# Allegro board 1156197-TDI_VU3P_QSFP28_CXP_V001_1023A-166-20241121_1644_PCB.brd (continued)
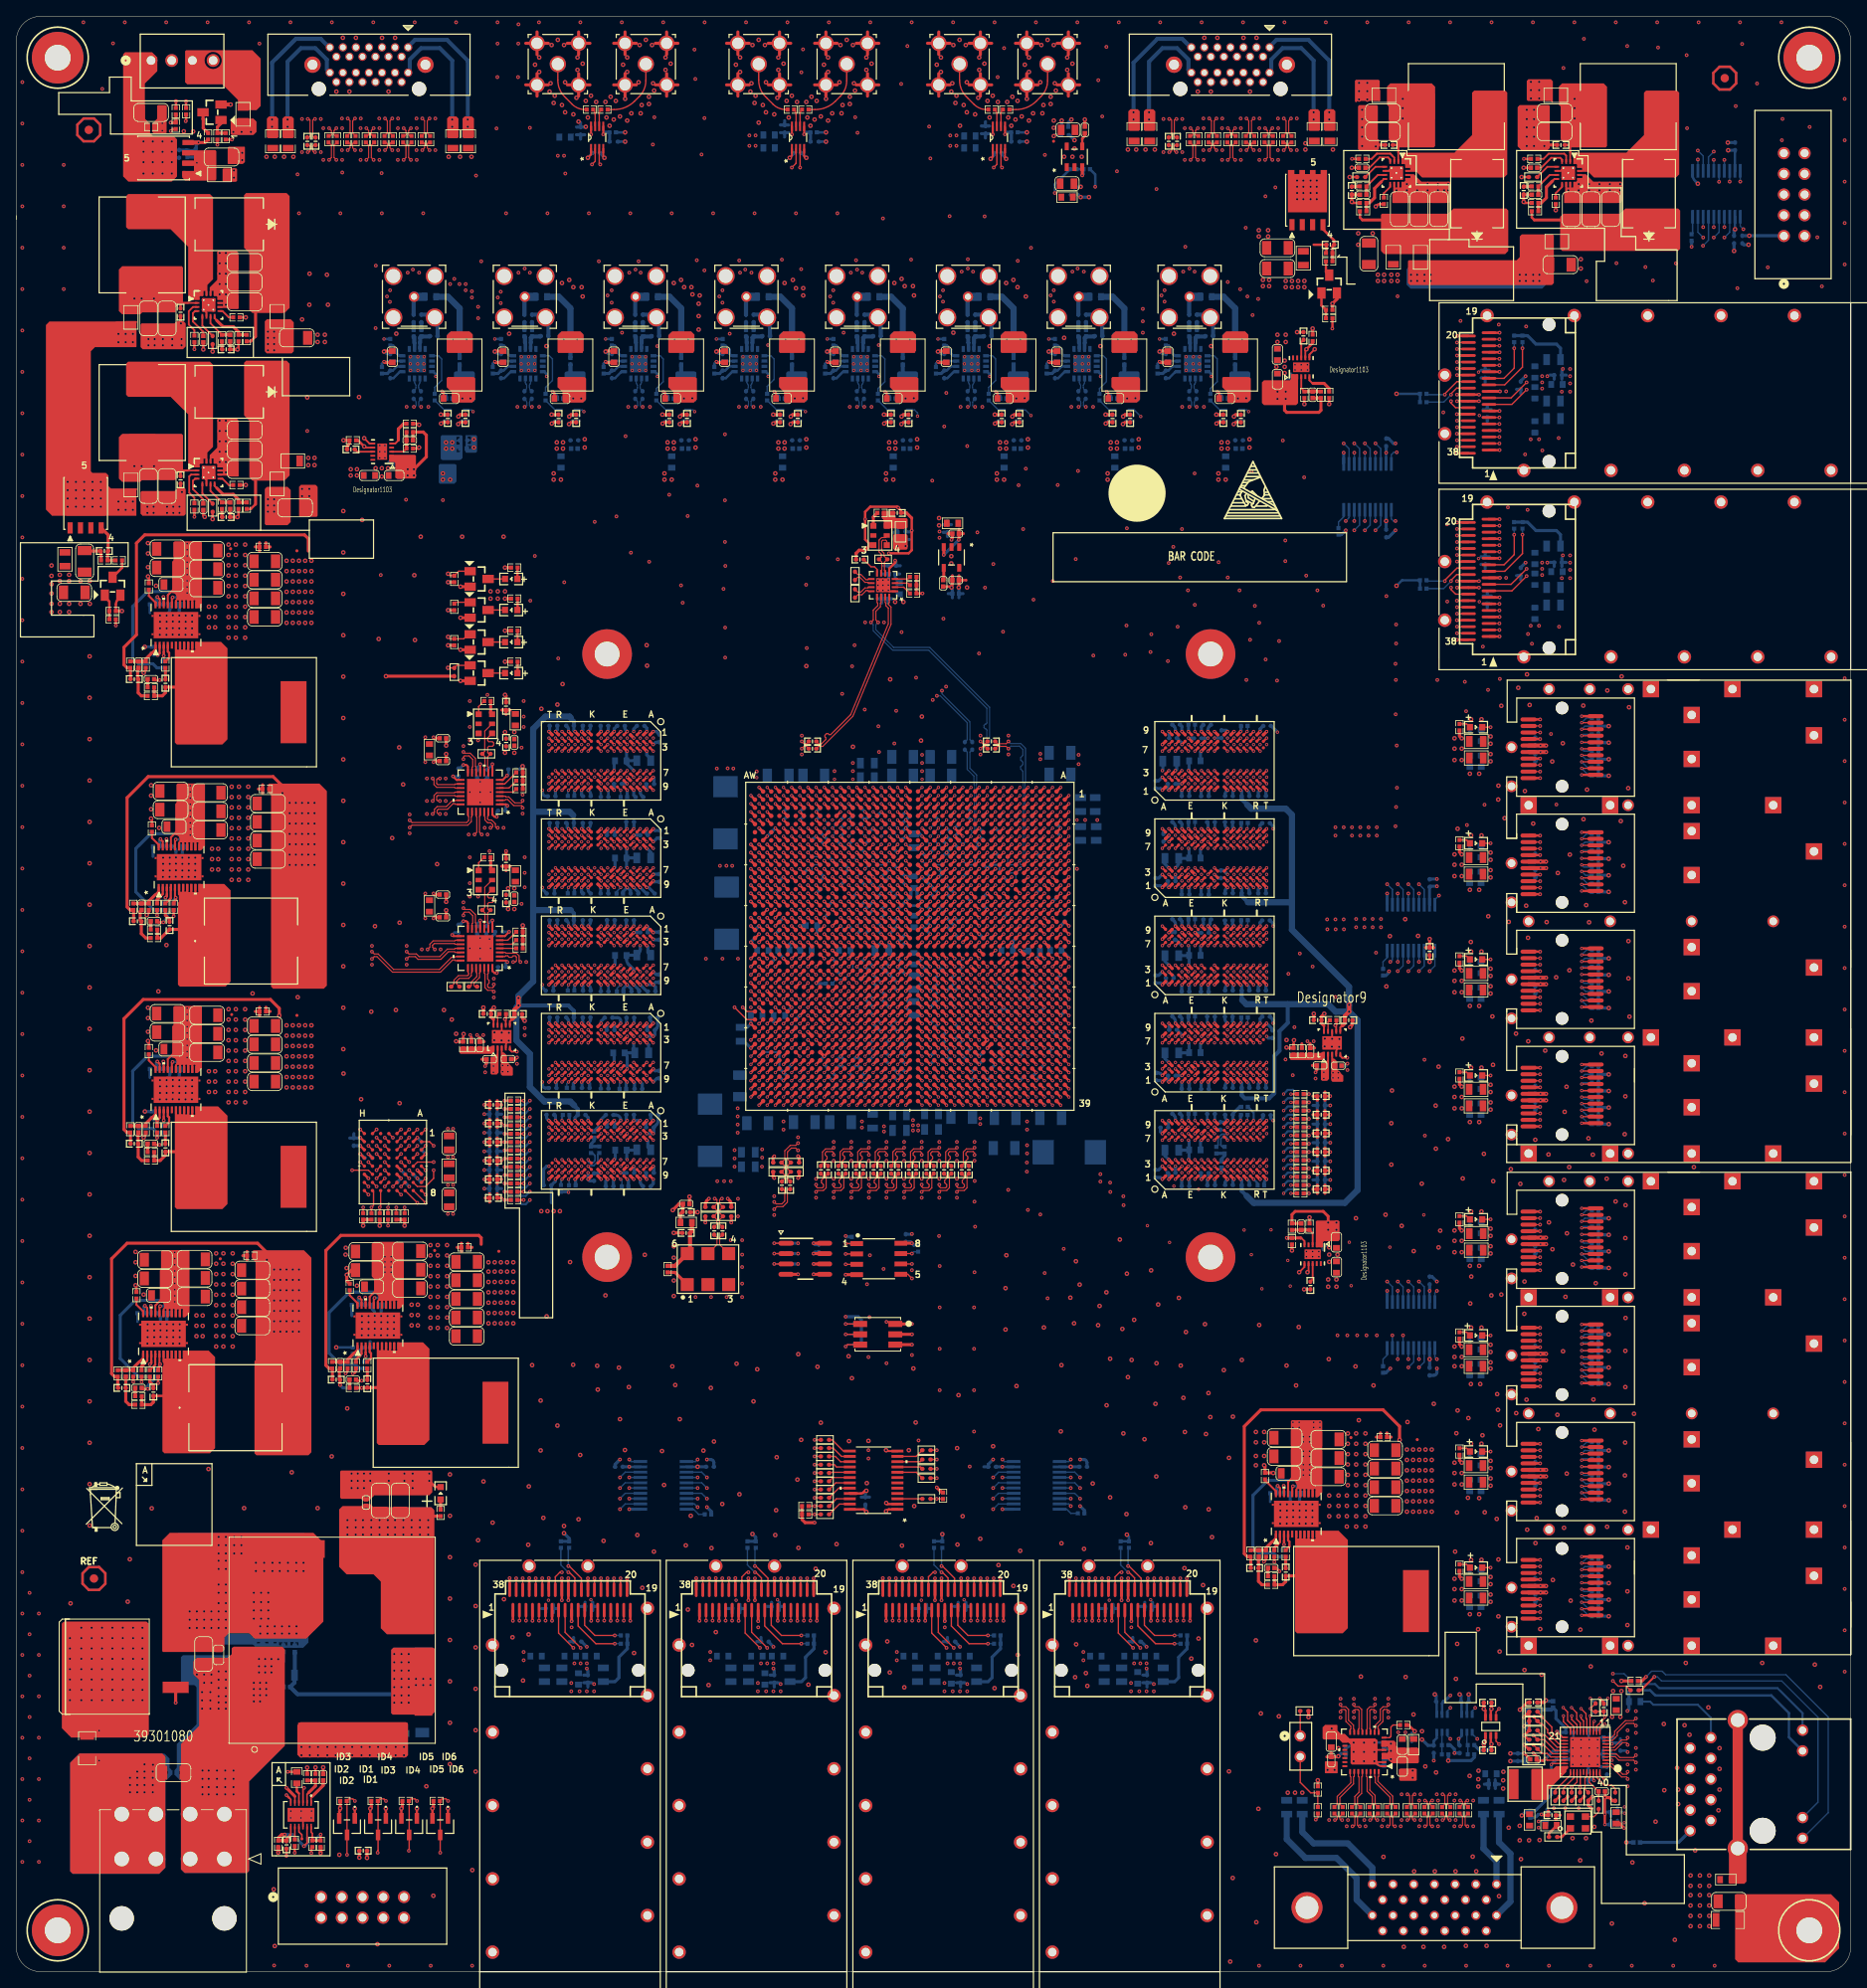
[diagram p0: board, top side]
## Routing (per net, layer and track width the routed paths; a pad name or vN(x,y) marks a point on that pad's centre or on a via; arc(x,y) is an arc through that point) (continued)
v2(41.78,84.2) v2(41.88,61.14) v2(41.88,60.25) v2(41.88,59.36) v2(42.04,193.27) v2(42.29,107.09) v2(42.34,27.58) v2(42.34,26.57) v2(42.42,178.18) v2(42.39,80.47) v2(42.39,79.71) v2(42.39,78.9) v2(42.37,78.11) v2(42.65,61.14) v2(42.65,60.25) v2(42.65,59.36) v2(43.2,80.47) v2(43.2,79.71) v2(43.2,78.9) v2(43.18,78.11) v2(43.41,61.14) v2(43.41,60.25) v2(43.36,27.58) v2(43.36,26.57) v2(43.54,117.83) v2(43.94,78.14) v2(43.99,128.32) v2(43.97,79.74) v2(43.97,78.92) v2(44.07,184.53) v2(44.3,3.38) v2(44.37,27.58) v2(44.37,26.57) v2(44.45,163.58) v2(44.73,78.11) v2(44.83,184.53) v2(44.83,183.51) v2(44.75,79.71) v2(44.75,78.9) v2(44.86,237.36) v2(45.39,27.58) v2(45.39,26.57) v2(45.54,80.47) v2(45.54,79.71) v2(45.54,78.9) v2(45.52,78.11) v2(45.59,184.53) v2(45.66,230.76) v2(45.69,61.14) v2(45.69,60.25) v2(46.1,139.14) v2(46.33,80.47) v2(46.33,79.71) v2(46.33,78.9) v2(46.3,78.11) v2(46.46,237.36) v2(46.53,27.58) v2(46.53,26.57) v2(46.61,201.04) v2(46.56,118.03) v2(46.96,150.27) v2(47.02,128.75) v2(47.02,106.6) v2(47.45,145.72) v2(47.55,27.58) v2(47.55,26.57) v2(47.6,61.14) v2(47.6,60.25) v2(48.49,81.86) v2(48.49,80.59) v2(48.49,79.32) v2(48.62,61.14) v2(48.62,60.25) v2(48.62,59.36) v2(48.82,171.4) v2(48.9,163.45) v2(49.25,81.86) v2(49.25,80.59) v2(49.25,79.32) v2(49.61,176.12) v2(50.29,22.76) v2(50.65,61.14) v2(50.8,89.18) v2(50.8,87.91) v2(50.8,86.64) v2(50.8,85.37) v2(50.8,84.1) v2(50.8,82.83) v2(50.8,81.56) v2(50.8,80.29) v2(50.8,79.02) v2(51.16,9.32) v2(51.61,135.94) v2(51.69,89.18) v2(51.69,87.91) v2(51.69,86.64) v2(51.69,85.37) v2(51.69,84.1) v2(51.69,82.83) v2(51.69,81.56) v2(51.69,80.29) v2(51.69,79.02) v2(52.45,118.03) v2(52.83,89.18) v2(52.83,87.91) v2(52.83,86.64) v2(52.83,85.37) v2(52.83,84.1) v2(52.83,82.83) v2(52.83,81.56) v2(52.83,80.29) v2(52.83,79.02) v2(53.04,222.76) v2(53.19,61.04) v2(53.19,55.96) v2(53.19,50.88) v2(53.19,45.8) v2(53.19,40.72) v2(53.19,35.64) v2(53.19,30.56) v2(53.19,25.48) v2(53.42,116.87) v2(54.43,222.76) v2(54.69,176.12) v2(55.83,222.76) v2(55.93,12.47) v2(56.13,188.09) v2(56.13,187.07) v2(56.34,49.96) v2(56.34,44.88) v2(56.34,39.8) v2(56.34,34.72) v2(56.34,29.64) v2(56.34,24.56) v2(56.64,52.96) v2(57.3,60.17) v2(58.42,55.12) v2(58.65,115.29) v2(58.62,114.33) v2(59.51,114.3) v2(59.77,176.12) v2(59.82,45.72) v2(59.94,149.61) v2(60.33,130.43) v2(60.43,115.24) v2(60.45,201.04) v2(60.86,41.05) v2(61.09,149.61) v2(61.09,130.43) v2(62.15,35.74) v2(62.79,52.4) v2(62.84,41.4) v2(62.87,59.56) v2(63.27,74.45) v2(63.63,234.06) v2(64.14,234.95) v2(64.14,233.17) v2(64.31,70.1) v2(64.31,63.98) v2(64.64,55.7) v2(65.02,199.52) v2(65.05,80.44) v2(65.41,230.76) v2(65.53,231.78) v2(65.66,236.47) v2(65.91,229.36) v2(66.04,230.25) v2(66.42,237.11) v2(66.37,67.03) v2(66.93,229.11) v2(66.93,207.26) v2(67.01,158.04) v2(67.18,236.47) v2(67.31,231.9) v2(67.31,228.22) v2(67.82,207.65) v2(67.92,87.1) v2(68.33,227.97) v2(68.33,206.76) v2(68.3,74.5) v2(68.71,230) v2(68.83,234.95) v2(68.83,233.43) v2(68.96,227.08) v2(68.96,55.52) v2(69.16,63.42) v2(69.34,206.76) v2(69.47,234.19) v2(69.47,205.61) v2(69.72,188.09) v2(69.72,187.07) v2(69.85,229.62) v2(70.1,227.58) v2(70.48,230.25) v2(71.12,229.49) v2(71.25,74.37) v2(71.32,71.45) v2(72.03,52.88) v2(72.26,229.49) v2(72.26,83.01) v2(72.39,227.58) v2(72.77,226.57) v2(72.9,230.12) v2(73.28,227.33) v2(73.53,229.62) v2(73.91,74.14) v2(74.04,227.71) v2(74.04,67.82) v2(74.42,234.06) v2(74.68,229.87) v2(74.65,64.03) v2(74.93,234.95) v2(74.93,233.17) v2(74.93,227.2) v2(75.13,71.75) v2(75.44,228.09) v2(75.77,39.12) v2(76.17,53.59) v2(76.33,231.9) v2(76.45,236.47) v2(76.58,228.09) v2(76.71,229.11) v2(76.78,47.12) v2(77.09,87.99) v2(77.22,237.11) v2(77.32,162.81) v2(77.37,160.3) v2(77.6,230.12) v2(77.6,229.24) v2(77.98,236.47) v2(78.11,231.78) v2(78.23,230.89) v2(78.21,51.56) v2(79.2,63.91) v2(79.45,59.74) v2(79.63,234.95) v2(79.63,233.43) v2(80.26,234.19) v2(80.47,74.3) v2(80.64,207.26) v2(80.64,89.03) v2(80.64,87.63) v2(80.64,84.84) v2(80.64,82.93) v2(80.82,72.01) v2(81.38,67.82) v2(81.53,207.65) v2(81.92,206.76) v2(82.12,52.32) v2(82.37,44.45) v2(82.73,55.96) v2(82.8,206.76) v2(82.93,205.87) v2(82.88,40.11) v2(83.31,188.09) v2(83.31,187.07) v2(83.69,204.72) v2(83.69,203.2) v2(83.69,201.55) v2(83.82,205.74) v2(84.28,63.96) v2(84.91,35.18) v2(85.19,71.65) v2(85.27,51.99) v2(85.57,65.07) v2(85.8,41.68) v2(86.59,57.4) v2(88.27,234.06) v2(88.34,74.63) v2(88.7,58.6) v2(88.77,234.95) v2(88.77,233.17) v2(90.04,230.76) v2(90.17,231.78) v2(90.3,236.47) v2(90.42,70) v2(90.55,229.36) v2(90.68,230.25) v2(90.88,73.94) v2(91.06,237.11) v2(91.06,226.95) v2(91.57,229.11) v2(91.82,236.47) v2(91.95,231.9) v2(91.95,228.22) v2(92.96,227.97) v2(93.09,53.59) v2(93.19,56.64) v2(93.34,230) v2(93.27,63.14) v2(93.47,234.95) v2(93.47,233.43) v2(94.11,234.19) v2(94.23,207.26) v2(94.49,229.62) v2(94.74,227.58) v2(95.12,230.25) v2(95.25,207.65) v2(95.63,206.63) v2(95.76,229.49) v2(95.81,60.4) v2(95.91,75.79) v2(95.94,52.02) v2(96.27,65.28) v2(96.52,206.63) v2(96.52,205.74) v2(96.9,229.49) v2(96.9,188.09) v2(96.9,187.07) v2(96.9,160.25) v2(97.03,227.58) v2(97.16,35.23) v2(97.41,226.57) v2(97.54,230.12) v2(97.92,227.33) v2(98.04,49.45) v2(98.17,229.62) v2(98.27,74.24) v2(98.68,227.71) v2(98.68,67.39) v2(99.06,234.06) v2(99.31,229.87) v2(99.26,39.22) v2(99.57,234.95) v2(99.57,233.17) v2(99.57,227.2) v2(100.08,228.09) v2(100.61,52.48) v2(100.97,231.9) v2(101.09,236.47) v2(101.22,228.09) v2(101.35,229.11) v2(101.85,237.11) v2(102.08,75.54) v2(102.13,65.13) v2(102.23,230.12) v2(102.23,229.24) v2(102.49,72.85) v2(102.62,236.47) v2(102.62,150.34) v2(102.74,231.78) v2(102.87,230.89) v2(104.27,234.95) v2(104.27,233.43) v2(104.32,59.97) v2(104.52,65.15) v2(104.9,234.19) v2(106.83,40.54) v2(107.14,36.73) v2(107.19,158.62) v2(107.7,207.26) v2(108.58,207.77) v2(108.64,52.3) v2(108.92,34.9) v2(108.97,206.88) v2(109.47,64.01) v2(109.98,206.88) v2(110.03,74.04) v2(110.11,205.74) v2(110.13,57.15) v2(110.31,67.41) v2(110.49,188.09) v2(110.49,187.07) v2(110.97,151.1) v2(111.07,154.05) v2(112.9,234.06) v2(113.41,234.95) v2(113.41,233.17) v2(114.68,230.76) v2(114.68,173.74) v2(114.68,172.85) v2(114.81,231.78) v2(114.94,236.47) v2(114.94,201.17) v2(115.19,229.36) v2(115.32,230.25) v2(115.39,64.26) v2(115.44,52.43) v2(115.57,70.76) v2(115.7,237.11) v2(115.75,226.57) v2(116.08,55.91) v2(116.2,229.11) v2(116.46,236.47) v2(116.59,231.9) v2(116.59,228.22) v2(117.6,227.97) v2(117.98,230) v2(118.11,234.95) v2(118.11,233.43) v2(118.24,53.14) v2(118.75,234.19) v2(119.13,229.62) v2(119.38,227.58) v2(119.38,199.52) v2(119.76,230.25) v2(119.81,64.49) v2(119.99,34.8) v2(120.4,229.49) v2(120.47,49.91) v2(121.34,83.9) v2(121.34,78.82) v2(121.41,207.26) v2(121.44,87.93) v2(121.54,229.49) v2(121.67,227.58) v2(122.05,226.57) v2(122.17,230.12) v2(122.3,207.65) v2(122.3,47.35) v2(122.56,227.33) v2(122.68,71.88) v2(122.81,229.62) v2(122.81,206.76) v2(122.83,38.89) v2(123.14,51.66) v2(123.32,227.71) v2(123.7,234.06) v2(123.83,205.61) v2(123.95,229.87) v2(124.08,188.09) v2(124.08,187.07) v2(124.21,234.95) v2(124.21,233.17) v2(124.21,227.2) v2(124.71,228.09) v2(125.6,231.9) v2(125.73,236.47) v2(125.86,228.09) v2(125.98,229.11) v2(126.03,79.07) v2(126.49,237.11) v2(126.87,230.12) v2(126.87,229.24) v2(127.25,236.47) v2(127.38,231.78) v2(127.51,230.89) v2(128.12,66.32) v2(128.19,74.45) v2(128.19,52.58) v2(128.52,222.76) v2(128.52,200.53) v2(128.91,234.95) v2(128.91,233.43) v2(129.29,82.73) v2(129.54,234.19) v2(129.54,222.76) v2(129.74,79.58) v2(129.79,223.77) v2(129.87,36.14) v2(129.97,87.2) v2(130,40.18) v2(130.43,84.33) v2(130.68,222.76) v2(130.96,51.89) v2(131.19,36.65) v2(131.37,35.08) v2(132.03,59.92) v2(132.69,79.35) v2(132.87,81.71) v2(132.97,199.52) v2(133.71,83.39) v2(133.73,69.52) v2(134.16,75.23) v2(134.16,58.22) v2(135.36,89.87) v2(135.66,78.89) v2(135.79,66.07) v2(136.22,85.67) v2(136.17,56.16) v2(136.35,223.65) v2(136.35,72.97) v2(136.8,75.08) v2(137.11,80.01) v2(137.36,223.65) v2(137.67,188.09) v2(137.67,187.07) v2(138.38,65.35) v2(138.51,223.65) v2(139.19,86.08) v2(139.17,52.6) v2(139.65,223.65) v2(139.73,69.7) v2(139.83,60.78) v2(139.85,74.68) v2(140.06,81.89) v2(141.99,201.04) v2(142.6,82.7) v2(142.82,74.4) v2(143.15,70.43) v2(143.33,66.24) v2(143.28,49.53) v2(143.38,57) v2(143.46,78.51) v2(144.12,38.43) v2(144.92,230.76) v2(145.01,40.89) v2(145.57,47.45) v2(145.72,237.36) v2(145.8,79.48) v2(145.92,65.99) v2(146.23,71.02) v2(146.25,56.74) v2(146.52,230.76) v2(146.46,68.07) v2(146.56,199.52) v2(146.66,53.34) v2(147.32,237.36) v2(148.11,73.84) v2(148.74,63.07) v2(148.74,24.59) v2(148.89,1.24) v2(149.22,68.12) v2(149.2,11.51) v2(150.32,75.08) v2(150.52,237.36) v2(151.32,230.76) v2(151.26,188.09) v2(151.26,187.07) v2(152.04,66.25) v2(152.04,64.98) v2(152.04,63.3) v2(152.04,62.16) v2(152.04,40.67) v2(152.12,237.36) v2(152.1,6.07) v2(152.35,19.99) v2(152.4,213.74) v2(152.4,212.98) v2(152.45,79.38) v2(152.65,31.7) v2(152.91,207.65) v2(152.91,206.88) v2(153.06,66.25) v2(153.06,64.98) v2(153.06,63.3) v2(153.54,213.74) v2(153.54,212.98) v2(153.67,207.65) v2(153.67,206.88) v2(154.51,14.43) v2(154.56,196.98) v2(154.86,31.34) v2(155.04,57.36) v2(155.04,56.6) v2(155.04,55.78) v2(155.02,55) v2(155.57,197.74) v2(155.57,196.98) v2(155.57,196.22) v2(155.8,74.4) v2(155.83,55) v2(155.85,57.36) v2(155.85,56.6) v2(155.85,55.78) v2(155.96,21.97) v2(156.62,56.62) v2(156.62,55.81) v2(156.59,55.02) v2(156.84,21.97) v2(156.97,71.96) v2(157.3,79.12) v2(157.4,56.6) v2(157.4,55.78) v2(157.38,55) v2(157.73,21.97) v2(158.12,224.41) v2(158.12,223.65) v2(158.19,57.36) v2(158.19,56.6) v2(158.19,55.78) v2(158.17,55) v2(158.98,57.36) v2(158.98,56.6) v2(158.98,55.78) v2(158.95,55) v2(160.5,114.53) v2(160.48,113.56) v2(160.83,24.77) v2(161.04,88.9) v2(161.04,88.01) v2(161.04,87.12) v2(160.99,75.18) v2(161.04,58.45) v2(161.04,57.18) v2(161.04,55.91) v2(161.34,29.84) v2(161.37,113.54) v2(161.49,223.65) v2(161.7,24.77) v2(162.05,88.01) v2(162.18,58.45) v2(162.18,57.18) v2(162.18,55.91) v2(162.28,114.48) v2(163.19,58.45) v2(163.19,57.18) v2(163.19,55.91) v2(163.19,54.64) v2(163.32,66.07) v2(163.32,64.8) v2(163.32,63.53) v2(163.32,62.26) v2(163.32,60.99) v2(163.32,59.72) v2(164.03,26.97) v2(164.03,25.83) v2(164.31,92.48) v2(164.26,74.3) v2(164.34,66.07) v2(164.34,64.8) v2(164.34,63.53) v2(164.34,62.26) v2(164.34,60.99) v2(164.34,59.72) v2(164.34,58.45) v2(164.34,57.18) v2(164.34,55.91) v2(164.34,54.64) v2(164.59,213.36) v2(164.59,211.96) v2(164.67,67.69) v2(164.92,36.22) v2(165.07,228.52) v2(165.07,227.38) v2(165.07,226.36) v2(165.07,225.22) v2(165.07,224.08) v2(165.3,28.12) v2(165.3,26.97) v2(165.3,25.83) v2(165.48,66.07) v2(165.48,64.8) v2(165.48,63.53) v2(165.48,62.26) v2(165.48,60.99) v2(165.48,59.72) v2(165.48,58.45) v2(165.48,57.18) v2(165.48,55.91) v2(165.48,54.64) v2(166.37,213.36) v2(166.47,71.96) v2(167.69,14.1) v2(167.94,92.91) v2(168.05,120.93) v2(168.48,127.1) v2(168.73,108.15) v2(168.66,104.14) v2(168.66,99.06) v2(169.29,218.64) v2(169.93,91.54) v2(170.18,3.05) v2(170.36,129.18) v2(170.41,36.17) v2(170.56,219.41) v2(170.56,218.64) v2(170.64,67.46) v2(171.27,24.69) v2(171.27,23.8) v2(171.4,88.44) v2(171.37,31.57) v2(171.45,12.32) v2(171.83,219.41) v2(171.83,218.64) v2(171.93,127.13) v2(172.39,96.72) v2(172.59,3.05) v2(172.82,25.2) v2(173.1,219.41) v2(173.1,218.64) v2(173.86,69.7) v2(173.99,12.32) v2(174.09,106.3) v2(174.12,101.02) v2(174.14,24.46) v2(174.37,219.41) v2(174.37,218.64) v2(174.45,111.07) v2(174.45,88.9) v2(174.65,90.96) v2(175.13,218.64) v2(175.13,3.05) v2(175.64,219.41) v2(175.64,218.64) v2(175.62,102.18) v2(176.48,51.56) v2(176.53,12.32) v2(176.63,66.09) v2(176.58,35.94) v2(176.71,56.36) v2(176.73,40.23) v2(176.78,140.28) v2(176.78,68.88) v2(177.37,114.53) v2(177.42,97.36) v2(177.8,3.17) v2(178.1,67.94) v2(178.05,58.17) v2(178.29,147.04) v2(178.29,132.79) v2(178.29,118.53) v2(178.29,104.29) v2(178.29,86.63) v2(178.33,82.02) v2(178.29,43.88) v2(178.26,24.03) v2(178.44,153.72) v2(178.44,139.47) v2(178.41,126.39) v2(178.44,125.22) v2(178.44,110.97) v2(178.44,93.31) v2(178.44,79.06) v2(178.42,72.13) v2(178.44,64.81) v2(178.44,50.56) v2(178.46,85.32) v2(178.64,14.12) v2(179.07,12.32) v2(179.3,42.04) v2(179.32,23.62) v2(179.32,22.73) v2(179.43,147.04) v2(179.43,132.79) v2(179.43,118.53) v2(179.43,104.29) v2(179.43,86.63) v2(179.43,58.13) v2(179.43,43.88) v2(179.35,24.67) v2(179.56,72.13) v2(179.71,153.72) v2(179.71,139.47) v2(179.71,125.22) v2(179.71,110.97) v2(179.71,93.31) v2(179.71,79.06) v2(179.71,64.81) v2(179.71,50.56) v2(179.83,65.84) v2(180.01,100.38) v2(180.11,56.39) v2(180.34,3.17) v2(180.54,129.54) v2(180.92,83.01) v2(181.05,117.25) v2(181.13,111.3) v2(181.15,97.03) v2(181.64,70.89) v2(181.58,55.58) v2(181.74,68.96) v2(181.79,145.57) v2(181.76,143.87) v2(181.79,50.6) v2(181.79,43.61) v2(181.94,39.29) v2(181.86,9.27) v2(181.99,67.06) v2(182.14,155.37) v2(182.14,83.11) v2(182.55,141.58) v2(183.06,128.85) v2(183.06,17.68) v2(183.31,98.5) v2(183.95,115.14) v2(183.97,68.55) v2(184.23,157.58) v2(184.4,17.91) v2(184.4,16.13) v2(184.48,96.7) v2(184.56,13.82) v2(185.04,144.91) v2(184.99,84.71) v2(184.96,80.75) v2(184.99,37.03) v2(185.19,130.84) v2(185.24,70.21) v2(185.27,228.52) v2(185.27,227.38) v2(185.27,226.36) v2(185.27,225.22) v2(185.27,224.08) v2(185.29,159.23) v2(185.32,54.25) v2(185.42,126.9) v2(185.45,114.2) v2(185.55,16.13) v2(185.62,155.47) v2(186.06,140.92) v2(186.16,228.52) v2(186.16,227.38) v2(186.16,226.36) v2(186.16,225.22) v2(186.16,224.08) v2(186.31,102.11) v2(186.33,52.6) v2(186.49,55.68) v2(186.69,66.6) v2(186.84,16.16) v2(186.92,42.06) v2(187.1,36.45) v2(187.53,113.06) v2(187.71,128.83) v2(187.93,100.3) v2(187.99,91.97) v2(188.39,148.54) v2(188.42,88.67) v2(188.47,48.08) v2(188.87,122.05) v2(189.03,68.35) v2(189.08,134.85) v2(189.69,150.77) v2(189.71,76.15) v2(189.84,97.18) v2(189.84,54.48) v2(189.92,105.54) v2(190.02,82.83) v2(190.14,108.61) v2(190.2,90.63) v2(190.17,61.14) v2(190.37,218.64) v2(190.5,122.91) v2(190.47,98.76) v2(190.55,137.11) v2(190.65,45.54) v2(190.93,86.79) v2(190.88,16.38) v2(191.64,219.41) v2(191.64,218.64) v2(191.85,41.99) v2(191.82,13.67) v2(191.9,210.19) v2(191.9,209.04) v2(192.2,155.4) v2(192.23,141.45) v2(192.53,16.38) v2(192.56,130.91) v2(192.66,145.08) v2(192.84,102.29) v2(192.91,219.41) v2(192.91,218.64) v2(192.91,128.8) v2(193.12,37.47) v2(193.19,116.74) v2(193.37,100.28) v2(193.45,70.23) v2(193.55,17.78) v2(193.57,66.52) v2(193.73,84.51) v2(194.18,219.41) v2(194.18,218.64) v2(194.44,112.7) v2(195.15,157.25) v2(195.07,97.33) v2(195.12,54.61) v2(195.45,219.41) v2(195.45,218.64) v2(195.71,5.92) v2(196.16,94.54) v2(196.72,219.41) v2(196.72,218.64) v2(196.8,141.22) v2(196.9,158.98) v2(197.1,135.74) v2(197.31,131.27) v2(197.28,102.79) v2(197.33,64.95) v2(197.31,60.91) v2(197.31,56.46) v2(197.36,112.39) v2(197.36,107.44) v2(197.38,94.08) v2(197.36,90.04) v2(197.36,85.6) v2(197.38,80.24) v2(197.36,76.2) v2(197.36,71.75) v2(197.61,52.07) v2(197.61,46.69) v2(197.61,42.55) v2(197.71,145.26) v2(197.74,126.49) v2(197.74,121.92) v2(197.82,155.19) v2(197.87,117.22) v2(198.22,13.41) v2(198.42,68.48) v2(199.72,8.41) v2(201.07,18.41) v2(202.08,30.4) v2(202.13,22.28) v2(203.43,3.91) v2(203.71,25.02) v2(203.84,22.35) v2(203.84,20.57) v2(204.62,30.25) v2(204.77,37.9) v2(205.23,29.08) v2(205.36,11.81) v2(205.36,10.54) v2(205.36,9.4) v2(205.36,8.13) v2(205.36,6.86) v2(205.36,5.59) v2(205.77,98.76) v2(205.92,14.88) v2(206.5,11.81) v2(206.5,10.54) v2(206.5,9.4) v2(206.5,8.13) v2(206.5,6.86) v2(206.5,5.59) v2(207.54,32.44) v2(207.65,11.81) v2(207.65,10.54) v2(207.65,9.4) v2(207.65,8.13) v2(207.65,6.86) v2(207.65,5.59) v2(208.79,19.81) v2(208.91,27.43) v2(208.91,24.89) v2(208.91,22.35) v2(214.15,37.9) v2(220.6,37.69) v2(221.26,34.95) v3(44.58,187.32) v3(44.58,186.56) v3(44.58,185.8) v3(45.21,187.32) v3(45.21,186.56) v3(45.21,185.8) v3(48.34,197.34) v3(48.37,198.2) v3(48.37,196.55) v3(49.23,197.34) v3(49.25,198.2) v3(49.25,196.55) v3(50.02,198.2) v3(49.99,197.34) v3(50.02,196.55) v3(61.93,197.34) v3(61.95,198.2) v3(61.95,196.55) v3(62.84,198.2) v3(62.82,197.34) v3(62.84,196.55) v3(63.61,198.2) v3(63.58,197.34) v3(63.61,196.55) v3(65.33,150.62) v3(65.33,146.62) v3(65.33,138.68) v3(65.33,134.68) v3(65.33,126.74) v3(65.33,122.74) v3(65.33,114.8) v3(65.33,110.8) v3(65.33,102.86) v3(65.28,45.59) v3(66.13,150.62) v3(66.13,146.62) v3(66.13,138.68) v3(66.13,134.68) v3(66.13,126.74) v3(66.13,122.74) v3(66.13,114.8) v3(66.13,110.8) v3(66.13,102.86) v3(66.13,98.86) v3(66.93,150.62) v3(66.93,146.62) v3(66.93,138.68) v3(66.93,134.68) v3(66.93,126.74) v3(66.93,122.74) v3(66.93,114.8) v3(66.93,110.8) v3(66.93,102.86) v3(66.93,98.86) v3(67.73,150.62) v3(67.73,146.62) v3(67.73,138.68) v3(67.73,134.68) v3(67.73,126.74) v3(67.73,122.74) v3(67.73,114.8) v3(67.73,110.8) v3(67.73,102.86) v3(67.73,98.86) v3(68.53,150.62) v3(68.53,146.62) v3(68.53,138.68) v3(68.53,134.68) v3(68.53,126.74) v3(68.53,122.74) v3(68.53,114.8) v3(68.53,110.8) v3(68.53,102.86) v3(68.53,98.86) v3(69.33,150.62) v3(69.33,146.62) v3(69.33,138.68) v3(69.33,134.68) v3(69.33,126.74) v3(69.33,122.74) v3(69.33,114.8) v3(69.33,110.8) v3(69.33,102.86) v3(69.33,98.86) v3(70.13,150.62) v3(70.13,145.82) v3(70.13,138.68) v3(70.13,133.88) v3(70.13,126.74) v3(70.13,121.94) v3(70.13,114.8) v3(70.13,110) v3(70.13,102.86) v3(70.48,45.64) v3(70.93,147.42) v3(70.93,146.62) v3(70.93,135.48) v3(70.93,134.68) v3(70.93,123.54) v3(70.93,122.74) v3(70.93,111.6) v3(70.93,110.8) v3(71.73,151.42) v3(71.73,147.42) v3(71.73,137.88) v3(71.73,121.94) v3(71.73,115.6) v3(71.73,110) v3(72.53,149.82) v3(72.53,145.82) v3(72.53,135.48) v3(72.53,133.88) v3(72.53,122.74) v3(72.53,110) v3(72.53,102.06) v3(72.53,99.66) v3(72.53,98.06) v3(73.33,151.42) v3(73.33,133.88) v3(73.33,127.54) v3(73.33,126.74) v3(73.33,121.94) v3(73.33,110) v3(74.13,151.42) v3(74.13,139.48) v3(74.13,127.54) v3(74.13,115.6) v3(74.13,99.66) v3(74.93,151.42) v3(74.93,139.48) v3(74.93,133.88) v3(74.93,103.66) v3(75.54,198.2) v3(75.52,197.34) v3(75.54,196.55) v3(75.73,145.82) v3(75.73,135.48) v3(75.73,126.74) v3(76.43,198.2) v3(76.41,197.34) v3(76.43,196.55) v3(76.53,151.42) v3(76.53,145.82) v3(76.53,137.88) v3(76.53,115.6) v3(76.53,114.8) v3(76.53,103.66) v3(76.53,102.86) v3(76.53,102.06) v3(76.53,98.86) v3(77.19,198.2) v3(77.17,197.34) v3(77.19,196.55) v3(77.33,151.42) v3(77.33,134.68) v3(77.33,133.88) v3(77.33,122.74) v3(77.33,121.94) v3(78.13,151.42) v3(78.13,121.94) v3(88.29,45.59) v3(89.13,198.2) v3(89.11,197.34) v3(89.13,196.55) v3(90.02,198.2) v3(90,197.34) v3(90.02,196.55) v3(90.78,198.2) v3(90.76,197.34) v3(90.78,196.55) v3(93.36,45.64) v3(100.1,141.36) v3(102.72,198.2) v3(102.7,197.34) v3(102.72,196.55) v3(103.61,198.2) v3(103.59,197.34) v3(103.61,196.55) v3(104.35,197.34) v3(104.37,198.2) v3(104.37,196.55) v3(105.69,170.8) v3(105.69,170.17) v3(105.69,169.53) v3(106.3,170.8) v3(106.3,170.17) v3(106.3,169.53) v3(106.96,170.83) v3(106.96,170.19) v3(111.01,45.59) v3(116.25,45.64) v3(116.31,198.2) v3(116.29,197.34) v3(116.31,196.55) v3(117.2,198.2) v3(117.17,197.34) v3(117.2,196.55) v3(117.94,197.34) v3(117.96,198.2) v3(117.96,196.55) v3(129.9,198.2) v3(129.87,197.34) v3(129.9,196.55) v3(130.79,198.2) v3(130.76,197.34) v3(130.79,196.55) v3(131.53,197.34) v3(131.55,198.2) v3(131.55,196.55) v3(134.06,45.59) v3(138.73,91.57) v3(139.14,45.64) v3(140.56,111.6) v3(141.36,102.86) v3(141.45,89.51) v3(141.99,96.42) v3(142.17,139.48) v3(142.17,111.6) v3(142.97,149.82) v3(142.97,137.88) v3(142.97,133.88) v3(142.97,123.54) v3(142.97,122.74) v3(142.97,111.6) v3(142.97,102.06) v3(142.97,98.06) v3(143.49,198.2) v3(143.46,197.34) v3(143.49,196.55) v3(143.77,145.82) v3(143.77,110) v3(144.38,198.2) v3(144.35,197.34) v3(144.38,196.55) v3(144.57,145.82) v3(144.57,114.8) v3(144.57,98.06) v3(145.01,96.04) v3(145.14,198.2) v3(145.11,197.34) v3(145.14,196.55) v3(145.37,146.62) v3(145.37,139.48) v3(145.37,134.68) v3(145.37,122.74) v3(145.37,115.6) v3(146.16,146.62) v3(146.16,137.88) v3(146.16,115.6) v3(146.16,103.66) v3(146.16,102.06) v3(146.97,145.82) v3(146.97,139.48) v3(146.97,127.54) v3(146.97,114) v3(146.97,110.8) v3(146.97,98.06) v3(147.77,137.88) v3(147.77,125.94) v3(147.77,114) v3(148.56,151.42) v3(148.56,146.62) v3(148.56,139.48) v3(148.56,127.54) v3(148.56,122.74) v3(148.56,115.6) v3(148.56,110.8) v3(148.56,103.66) v3(148.56,98.86) v3(149.36,150.62) v3(149.36,146.62) v3(149.36,138.68) v3(149.36,134.68) v3(149.36,126.74) v3(149.36,122.74) v3(149.36,114.8) v3(149.36,110.8) v3(149.36,102.86) v3(149.36,98.86) v3(150.16,150.62) v3(150.16,146.62) v3(150.16,138.68) v3(150.16,134.68) v3(150.16,126.74) v3(150.16,122.74) v3(150.16,114.8) v3(150.16,110.8) v3(150.16,102.86) v3(150.16,98.86) v3(150.6,91.03) v3(150.96,150.62) v3(150.96,146.62) v3(150.96,138.68) v3(150.96,134.68) v3(150.96,126.74) v3(150.96,122.74) v3(150.96,114.8) v3(150.96,110.8) v3(150.96,102.86) v3(150.96,98.86) v3(151.49,88.01) v3(151.76,150.62) v3(151.76,146.62) v3(151.76,138.68) v3(151.76,134.68) v3(151.76,126.74) v3(151.76,122.74) v3(151.76,114.8) v3(151.76,110.8) v3(151.76,102.86) v3(151.76,98.86) v3(152.56,150.62) v3(152.56,146.62) v3(152.56,138.68) v3(152.56,134.68) v3(152.56,126.74) v3(152.56,122.74) v3(152.56,114.8) v3(152.56,110.8) v3(152.56,102.86) v3(152.56,98.86) v3(152.78,83.82) v3(153.36,150.62) v3(153.36,146.62) v3(153.36,138.68) v3(153.36,134.68) v3(153.36,126.74) v3(153.36,122.74) v3(153.36,110.8) v3(153.36,102.86) v3(153.36,98.86) v3(153.9,91.06) v3(155.96,87.3) v3(156.26,84.15) v3(156.84,197.23) v3(156.84,196.6) v3(157.61,197.23) v3(157.61,196.6) v3(158.24,88.39) v3(158.24,87.76) v3(158.37,197.23) v3(158.37,196.6) v3(159,88.39) v3(159,87.76) v3(159.77,88.39) v3(159.77,87.76) v3(163.5,89.53) v3(163.73,84.2) v3(168.48,88.93) v3(172.64,92.89) v3(179.36,196.33) v3(179.36,173.45) v3(179.45,191.01) v3(179.45,168.15)
